# Altium PCB BatteryPack.PcbDoc
Units mm, origin at the board's own origin, x right, y up, seen from the top; angles counter-clockwise.
Board outline 90 x 42 mm, 4 copper layers (L1 Top, L2 GND, L3 Power, L4 Bottom), stack 1.576 mm thick; 60 components, 46 nets, 196 pads, 133 vias.
Unrouted connection lines stored in the file: 3.
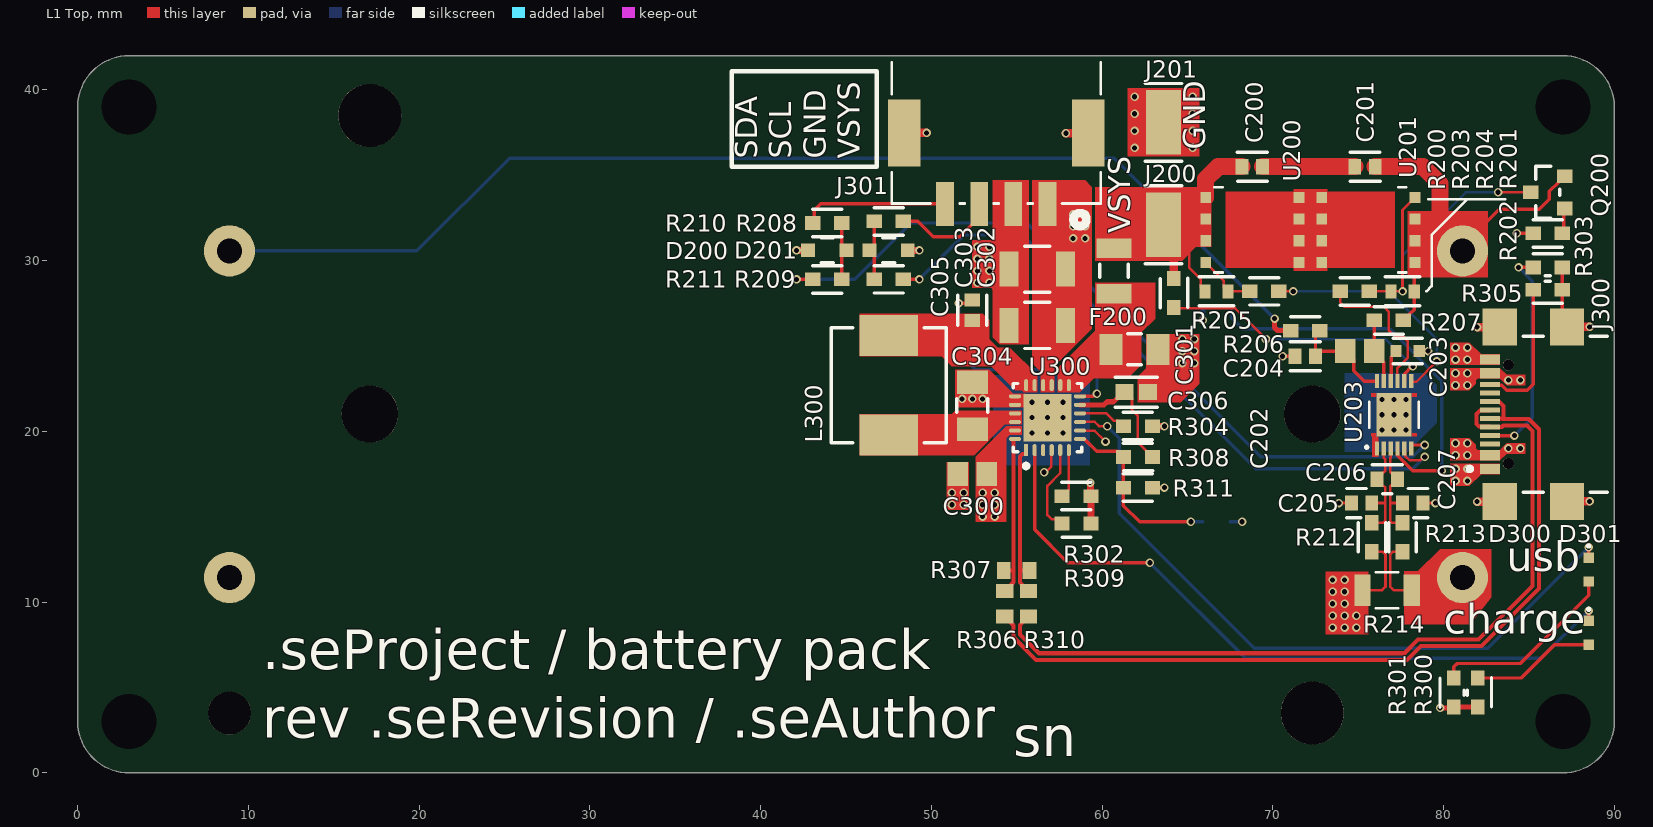
[diagram p0: L1 Top view]
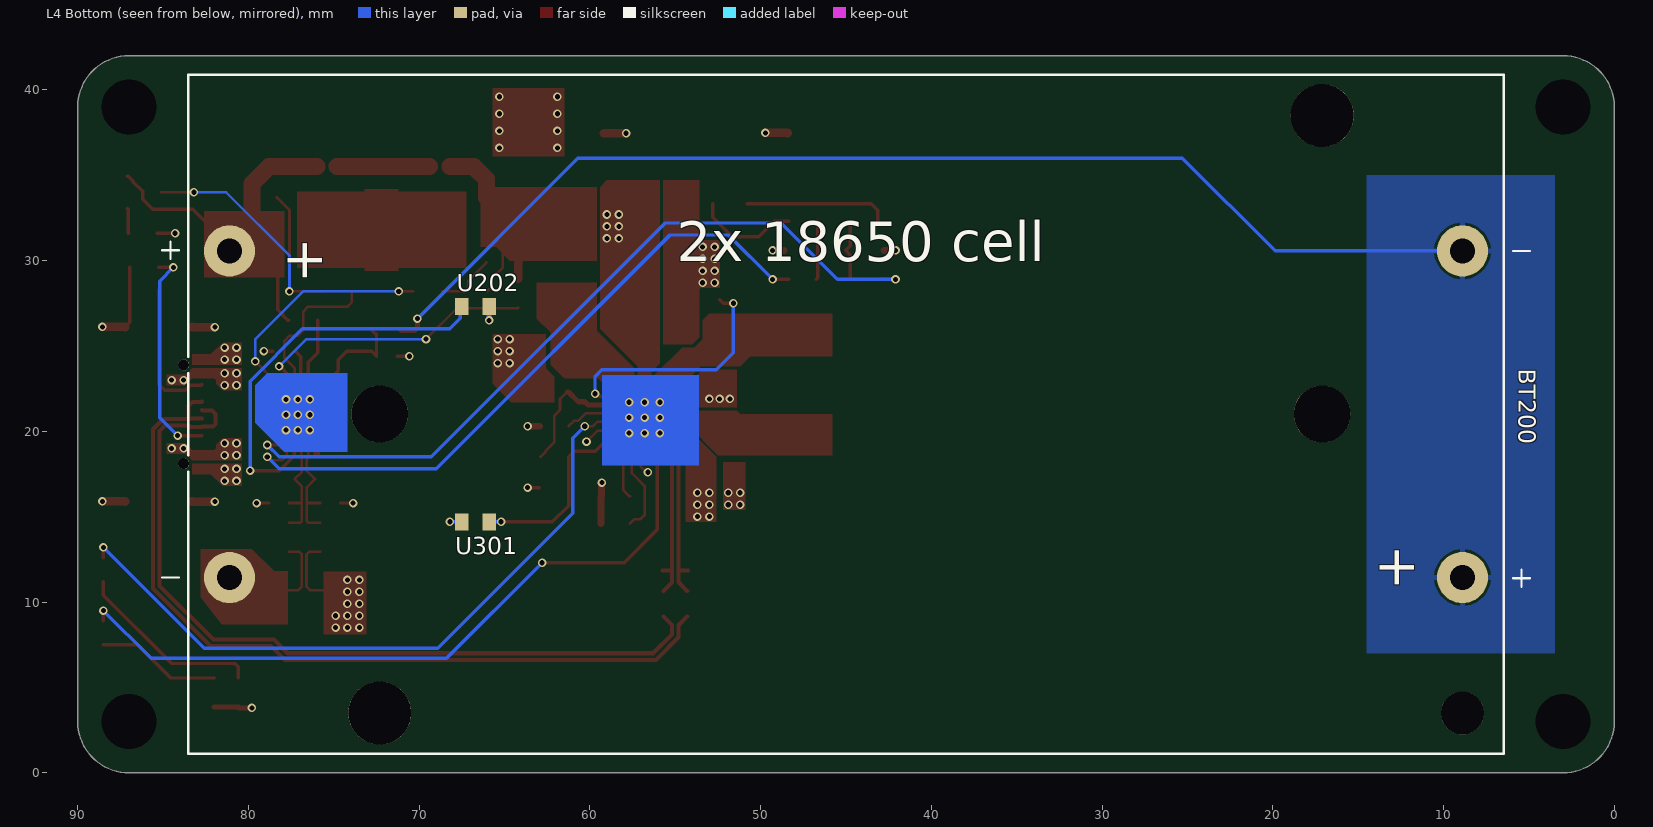
[diagram p1: L4 Bottom view, seen from below]
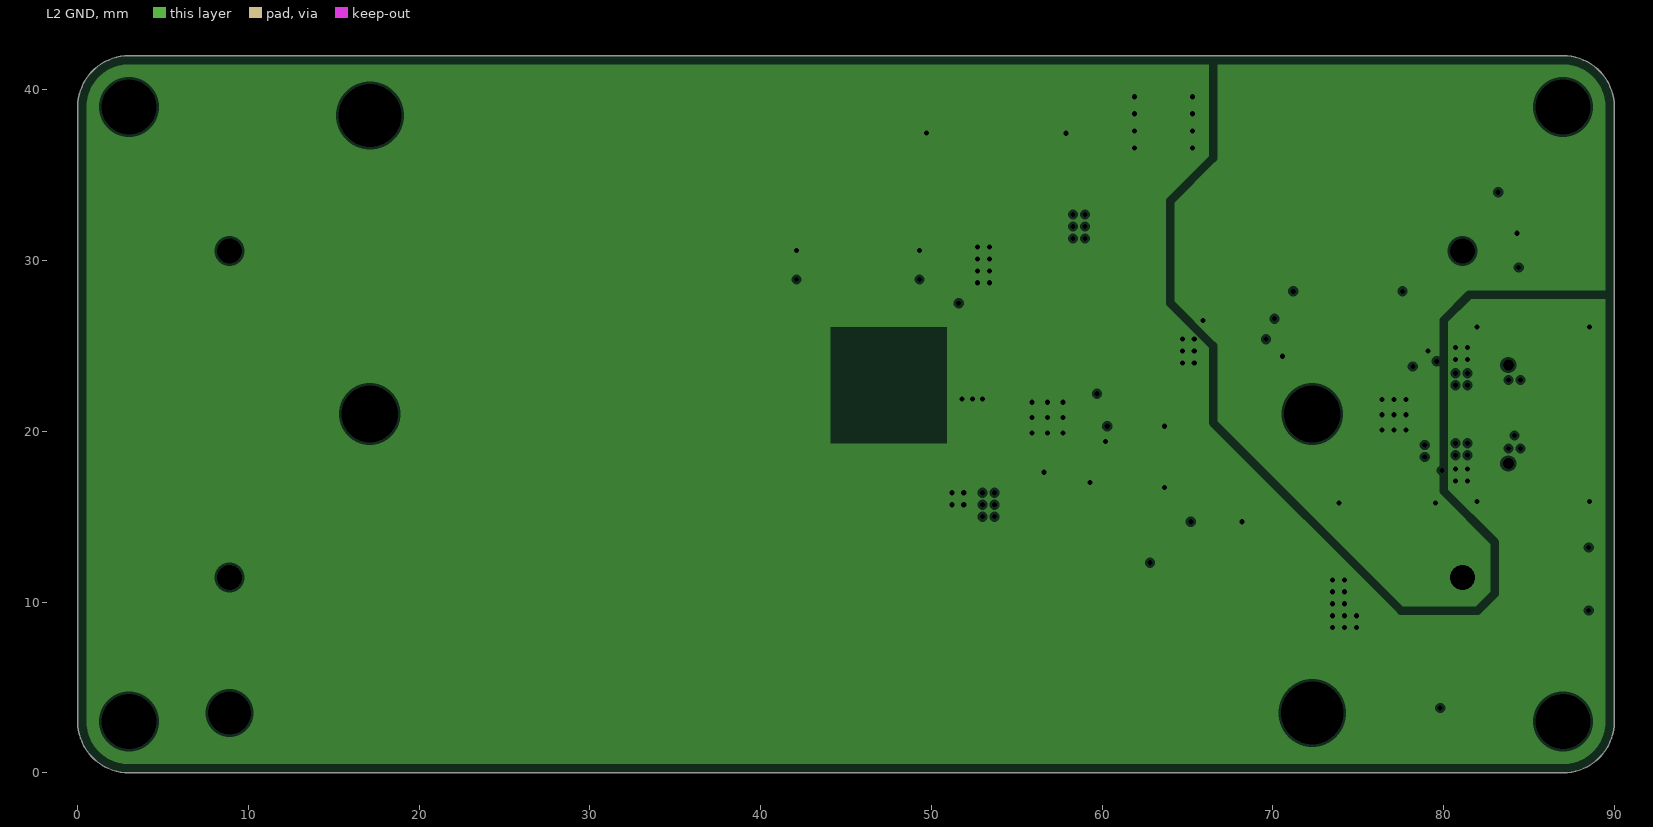
[diagram p2: L2 GND, clearances drawn from the general rule]
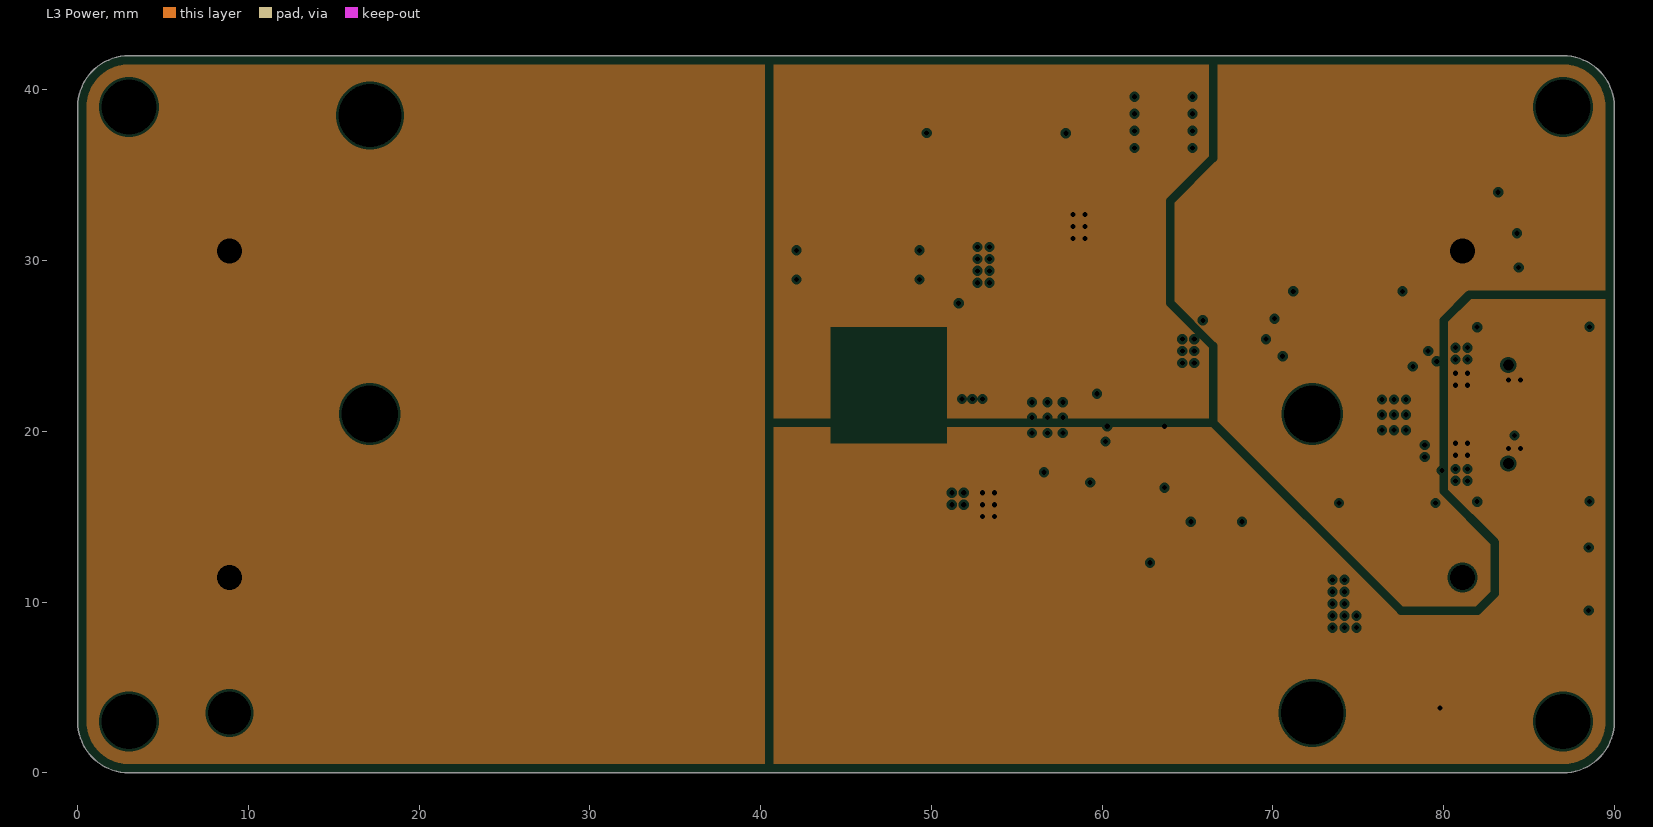
[diagram p3: L3 Power, clearances drawn from the general rule]
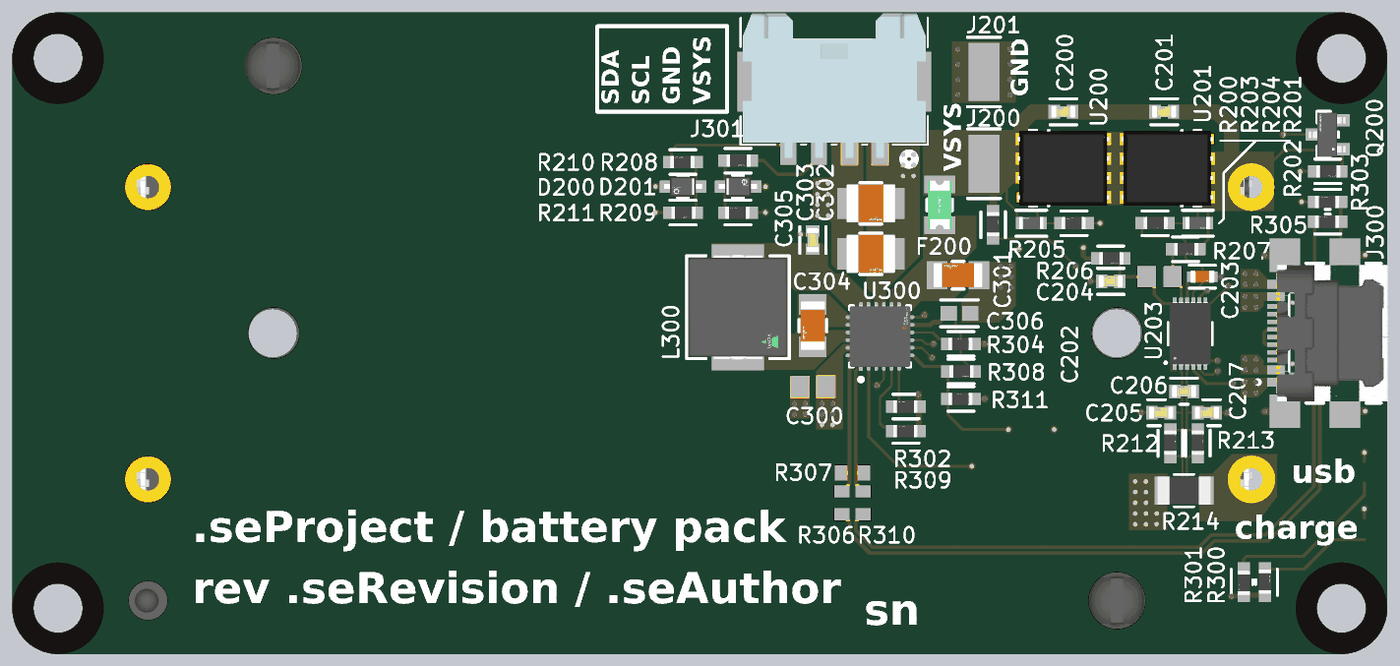
[diagram p4: 3D render of the assembled board from above, using the file's embedded part models]
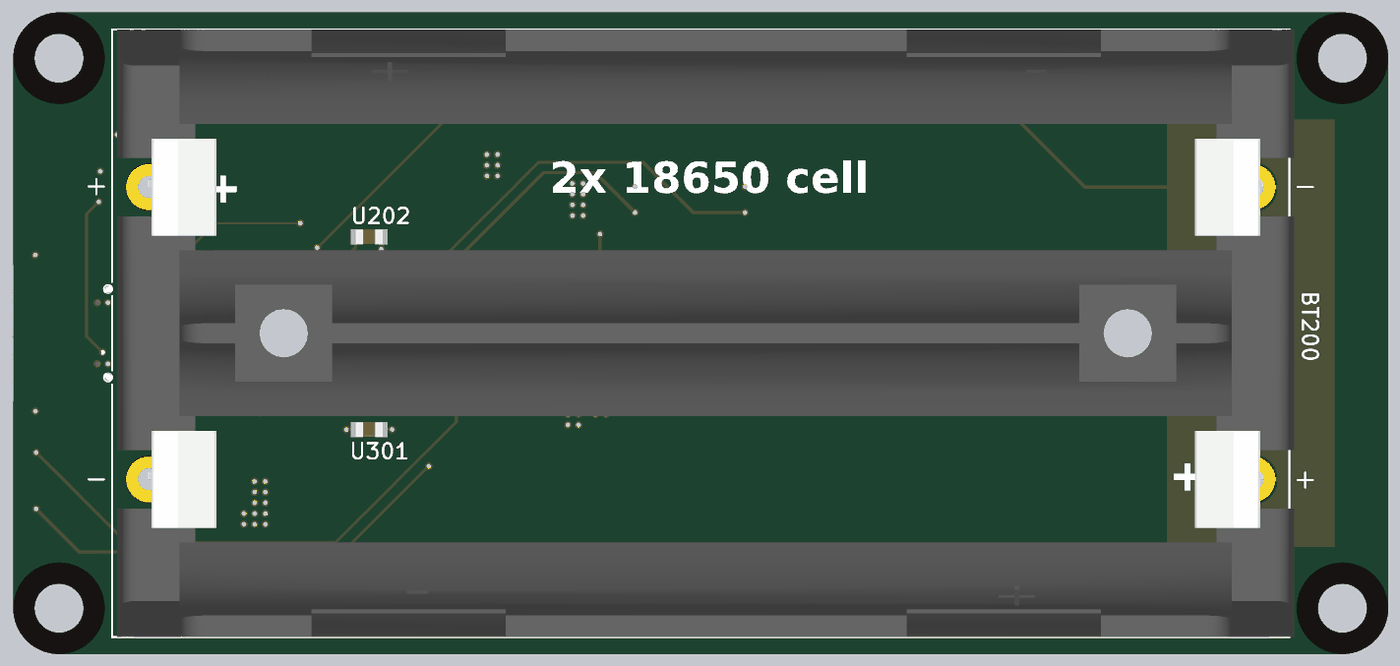
[diagram p5: 3D render of the assembled board from below, using the file's embedded part models]

## Layer stack, top to bottom
Top Solder: solder mask 0.0102, Solder Resist, Dk 3.5
L1 Top: signal copper 0.0356
Dielectric 2: prepreg 0.21, PP-006, Dk 4.1
L2 GND: plane copper 0.0175, net GND
Dielectric 1: dielectric 1.05, FR-4, Dk 4.8
L3 Power: plane copper 0.0175, net GND
Dielectric 3: prepreg 0.21, PP-006, Dk 4.1
L4 Bottom: signal copper 0.0356
Bottom Solder: solder mask 0.0102, Solder Resist, Dk 3.5

## Board outline
0,3 0,39 cw(c3,39) 3,42 87,42 cw(c87,39) 90,39 90,3 cw(c87,3) 87,0 3,0 cw(c3,3)

## Design rules (kind name [scope] priority, off if disabled: settings)
BoardOutlineClearance [All] p1: gap=0.4 ignorepadtopadclearanceinfootprint=FALSE
Clearance [All] p1: gap=0.1 ignorepadtopadclearanceinfootprint=FALSE except(0.2: Arc-Poly Track-Poly SMDPad-Poly THPad-Poly Via-Poly Fill-Poly Poly-Poly Poly-Region Poly-Text Poly-Hole)
ComponentClearance [All] p1: gap=0.35 collisioncheckmode=3 verticalgap=0.35 showdistances=FALSE
DiffPairsRouting DiffPairsRouting_ETH [InDifferentialPairClass('Ethernet')] p1: maxlimit=0.15 minlimit=0.15 mostfreqgap=0.15 toplayer_minwidth=0.132 toplayer_maxwidth=0.132 toplayer_prefwidth=0.132 bottomlayer_minwidth=0.132 bottomlayer_maxwidth=0.132 bottomlayer_prefwidth=0.132 impedanceprofiledriven=TRUE maxuncoupledlength=5
HoleSize [All] p1: absolutevalues=TRUE maxlimit=6.3 minlimit=0.3 maxpercent=80.000 minpercent=20.000
HoleToHoleClearance [All] p1: gap=0.3 allowstackedmicrovias=FALSE
MinimumAnnularRing [All] p1: minimumring=0.075
MinimumSolderMaskSliver [All] p1: minsoldermaskwidth=0.1
PlaneClearance [All] p1: clearance=0.15
PlaneConnect [All] p1: pad.planeconnectstyle=Relief pad.reliefexpansion=0.508 pad.reliefentries=4 pad.reliefconductorwidth=0.254 pad.reliefairgap=0.254 via.planeconnectstyle=Direct via.reliefexpansion=0.508 via.reliefentries=4 via.reliefconductorwidth=0.254 via.reliefairgap=0.254
PolygonConnect [All] p1: thpad.connectstyle=Relief thpad.reliefconductorwidth=0.3 thpad.reliefentries=4 thpad.polygonreliefangle="90 Angle" thpad.airgapwidth=0.15 smdpad.connectstyle=Relief smdpad.reliefconductorwidth=0.3 smdpad.reliefentries=4 smdpad.polygonreliefangle="90 Angle" smdpad.airgapwidth=0.15 via.connectstyle=Direct via.reliefconductorwidth=0.254 via.reliefentries=4 via.polygonreliefangle="90 Angle" via.airgapwidth=0.254
RoutingVias [All] p1: holewidth=0.3 width=0.46 viastyle="Through Hole" minholewidth=0.3 minwidth=0.45 maxholewidth=6 maxwidth=6.3
SilkToSilkClearance [All] p1: silktosilkclearance=0.15
SilkToSolderMaskClearance [IsPad] p1: minsilkscreentomaskgap=0.15 clearancetoexposedcopper=TRUE
SolderMaskExpansion [All] p1: expansion=0.05 istentingtop=FALSE
Width [All] p1: maxlimit=5 minlimit=0.1 preferedwidth=0.2 minimp=50.000000 maximp=50.000000 favimp=50.000000
21 further rules are at their usual default settings.

## Classes and differential pairs
component class "Battery Monitoring & Protection": BT200 C200 C201 C202 C203 C204 C205 C206 C207 D200 D201 F200 J200 J201 Q200 R200 R201 R202 R203 R204 R205 R206 R207 R208 R209 R210 R211 R212 R213 R214 U200 U201 U202 U203
component class "USB Charger": C300 C301 C302 C303 C304 C305 C306 D300 D301 J300 J301 L300 R300 R301 R302 R303 R304 R305 R306 R307 R308 R309 R310 R311 U300 U301

## Components (designator, comment, footprint, x,y, rotation, side; value= is the part's Value field where it differs from the comment)
BT200 "1049" BAT1049 45,21 r180 bottom
C200 "C0603C104M5RACTU" FP-C0603C-CF-MFG 68.8,35.5 r0 top value="0.10 μF"
C201 "C0603C104M5RACTU" FP-C0603C-CF-MFG 75.4,35.5 r0 top value="0.10 μF"
C202 "GRM219R71E105KA88D" CAPC2013X95X45NL10T25 75.1,24.7 r180 top
C203 "GRM188R61E225KA12D" FP-GRM188-0_1-e0_2_0_5-MFG 77.9,24.7 r0 top
C204 "C0603C104M5RACTU" FP-C0603C-CF-MFG 71.9,24.4 r0 top value="0.10 μF"
C205 "C0603C104M5RACTU" FP-C0603C-CF-MFG 75.2,15.8 r0 top value="0.10 μF"
C206 "C0603C104M5RACTU" FP-C0603C-CF-MFG 76.7,17.2 r0 top value="0.10 μF"
C207 "C0603C104M5RACTU" FP-C0603C-CF-MFG 78.2,15.8 r0 top value="0.10 μF"
C300 "GRM219R71E105KA88D" CAPC2013X95X45NL10T25 52.4,17.5 r0 top
C301 "GRM31CR71E106MA12K" FP-GRM31C-0_2-e0_3_0_8-IPC_B 61.9,24.8 r180 top value=10μF
C302 "GRM32ER71E226ME15K" FP-GRM32E-0_3-0_2-MFG 56.2,26.2 r0 top
C303 "GRM32ER71E226ME15K" FP-GRM32E-0_3-0_2-MFG 56.2,29.5 r0 top
C304 "GRM31CR71E106MA12K" FP-GRM31C-0_2-e0_3_0_8-IPC_B 52.4,21.5 r270 top value=10μF
C305 "C0603C473M5RACTU" FP-C0603C-CF-MFG 52.4,27.1 r270 top value="47,000 pF"
C306 "GRM188Z71A475ME15D" FP-GRM188-0_15-IPC_B 62,22.3 r180 top
D200 "MM3Z5V6C" FP-SOD-323F-MFG 43.9,30.6 r0 top
D201 "MM3Z5V6C" FP-SOD-323F-MFG 47.5,30.6 r180 top
D300 "155060VS75300" WL-SMSW_0603_L1.6W0.98H0.8 1358.71,-1261.8 r270 top
D301 "155060VS75300" WL-SMSW_0603_L1.6W0.98H0.8 1358.71,-1258.1 r270 top
F200 "0466005.NR" FP-0466-MFG 60.7,29.4 r90 top value=0.011Ω
J200 "5019" FP-5019-MFG 63.6,32.1 r90 top
J201 "5019" FP-5019-MFG 63.6,38.1 r270 top
J300 "USB4110-GF-A" FP-USB4110-GF-A-MFG 86.4,21 r90 top
J301 "5055780471" CONN_505578_04_MOL 53.8,37.7 r180 top
L300 "IHLP2525CZER1R0M01" FP-IHLP-2525CZ-FP_2_413x3-MFG 47.5,22.7 r270 top
Q200 "2N7002K" FP-318-08-MFG 86.1,34 r180 top
R200 "AC0603FR-0710ML" FP-AC0603-IPC_C 66.7,28.2 r180 top
R201 "AC0603FR-0710ML" FP-AC0603-IPC_C 77.6,28.2 r0 top
R202 "RT0603FRE0710KL" FP-RT0603-MFG 86.1,31.6 r0 top value=10KΩ
R203 "RT0603FRE075K1L" FP-RT0603-MFG 69.5,28.2 r180 top value=5.1KΩ
R204 "RT0603FRE075K1L" FP-RT0603-MFG 74.8,28.2 r0 top value=5.1KΩ
R205 "RT0603FRE0710RL" FP-RT0603-MFG 64.2,28.1 r90 top value=10Ω
R206 "RT0603FRE07100RL" FP-RT0603-MFG 71.9,25.9 r0 top value=100Ω
R207 "RT0603FRE075R1L" FP-RT0603-MFG 76.8,26.5 r0 top value=5.1Ω
R208 "RT0603FRE07100RL" FP-RT0603-MFG 47.5,32.3 r0 top value=100Ω
R209 "RT0603FRE07100RL" FP-RT0603-MFG 47.5,28.9 r180 top value=100Ω
R210 "RT0603FRE07100RL" FP-RT0603-MFG 43.9,32.2 r180 top value=100Ω
R211 "RT0603FRE07100RL" FP-RT0603-MFG 43.9,28.9 r0 top value=100Ω
R212 "RT0603FRE07100RL" FP-RT0603-MFG 75.8,13.8 r90 top value=100Ω
R213 "RT0603FRE07100RL" FP-RT0603-MFG 77.6,13.8 r90 top value=100Ω
R214 "CSNL1206FT1L00" STA_CSNL1206_STP 76.7,10.7 r0 top
R300 "RT0603FRE072K2L" FP-RT0603-MFG 82,4.7 r90 top value=2.2KΩ
R301 "RT0603FRE072K2L" FP-RT0603-MFG 80.6,4.7 r270 top value=2.2KΩ
R302 "RT0603FRE07150KL" FP-RT0603-MFG 58.5,16.2 r180 top value=150KΩ
R303 "RT0603FRE075K1L" FP-RT0603-MFG 86.1,29.6 r180 top value=5.1KΩ
R304 "RT0603FRE075K6L" FP-RT0603-MFG 62.1,20.3 r180 top value=5.6KΩ
R305 "RT0603FRE075K1L" FP-RT0603-MFG 86.1,28.3 r180 top value=5.1KΩ
R306 "RC0603JR-070RL" RESC1608X55X25ML10T15 54.3,9.9 r270 top
R307 "RC0603JR-070RL" RESC1608X55X25ML10T15 54.996,11.858 r180 top
R308 "RT0603FRE075K23L" FP-RT0603-MFG 62.1,18.5 r0 top value=5.23KΩ
R309 "RT0603FRE0710KL" FP-RT0603-MFG 58.5,14.6 r180 top value=10KΩ
R310 "RC0603JR-070RL" RESC1608X55X25ML10T15 55.7,9.9 r270 top
R311 "RT0603FRE0730K1L" FP-RT0603-MFG 62.1,16.7 r180 top value=30.1KΩ
U200 "CSD16412Q5A" DQJ8 68.8,31.8 r0 top
U201 "CSD16412Q5A" DQJ8 75.6,31.8 r180 top
U202 "NTCS0603E3103FLT" NTCS0603_VIS 66.7,27.3 r180 bottom
U203 "BQ28Z620DRZR" VSON12_DRZ_TEX 77.1,20.969 r90 top
U300 "BQ25886RGER" FP-RGE0024H-IPC_C 56.8,20.8 r90 top
U301 "NTCS0603E3103FLT" NTCS0603_VIS 66.7,14.7 r180 bottom

## Footprints (in the part's own frame and the unit in brackets; to place one, negate y for a bottom-side part, rotate by r counter-clockwise, add the part's x,y. Pads: shape width x height; smd on the part's side, far side on the other; paste and mask are expansions set on the pad)
BAT1049 [mm]
  round 3 hole 1.45: N1(36.11,9.565) N2(-36.11,-9.565) P1(-36.11,9.565) P2(36.11,-9.565)
  round 3.68 hole 3.68 unplated: ""(-27.31,-17.5) ""(27.89,17.5)
  round 3.31 hole 3.31 unplated: ""(-27.31,0.015) ""(27.89,0.015)
  round 2.51 hole 2.51 unplated: ""(36.11,-17.5)
  silkscreen extent -40.06,-19.89 40.06,19.89, body extent -38.2,-19.89 38.86,19.89, height 14.91
CAPC2013X95X45NL10T25 [mm] "Chip Capacitor, 2-Leads, Body 2.00x1.25mm, IPC Medium Density"
  rect 1.2x1.4 smd: 1(-0.85,0) 2(0.85,0)
  body extent -1.05,-0.67 1.05,0.67, height 0.95
CONN_505578_04_MOL [mil]
  rect 41x102 smd: 1(-118.11,172.41) 2(-39.37,172.41) 3(39.37,172.41) 4(118.11,172.41)
  rect 75x154 smd: 5(-212.6,9.02) 6(212.6,9.02)
  silkscreen extent -241,-154 241,224, body extent -236,-167 236,206, height 232
DQJ8 [mm]
  rect 0.63x0.65 smd paste-0.1 mask-0.33: 1(-2.735,1.905) 2(-2.735,0.635) 3(-2.735,-0.635) 4(-2.735,-1.905) 5(2.735,-1.905) 6(2.735,-0.635) 7(2.735,0.635) 8(2.735,1.905)
  L1 Top region: 2.745,0 2.745,-2.23 -1.545,-2.23 -1.545,0
  L1 Top region: 2.745,0 2.745,2.23 -1.545,2.23 -1.545,0
  silkscreen extent -2.23,-2.5 -1.74,2.5, body extent -3,-2.55 3,2.55, height 1.05
FP-318-08-MFG [mm]
  rect 0.9x0.8 smd paste+0 mask+0: 1(-1,0.95) 2(-1,-0.95) 3(1,0)
  silkscreen extent -0.7,-1.52 0.7,1.52, body extent -1.55,-1.62 1.55,1.62, height 0.25
FP-0466-MFG [mil]
  rect 45x80 smd paste+0 mask+0: 1(-52.5,0) 2(52.5,0)
  silkscreen extent -15,-32 15,32, body extent -79,-44 79,44, height 10
FP-5019-MFG [mm]
  rect 3.8x2.03 smd paste+0 mask+0: 1(0,0)
  silkscreen extent -2.27,-1.08 2.27,1.08
FP-AC0603-IPC_C [mm]
  rect 0.659x0.812 smd paste+0 mask+0: 1(-0.677,0) 2(0.677,0)
  silkscreen extent -1.01,-0.85 1.01,0.85, body extent -1.11,-0.55 1.11,0.55, height 0.25
FP-C0603C-CF-MFG [mm]
  rect 0.75x0.9 smd paste+0 mask+0: 1(-0.6,0) 2(0.6,0)
  silkscreen extent -0.87,-0.85 0.88,0.85, body extent -1.2,-0.6 1.2,0.6, height 0.25
FP-GRM31C-0_2-e0_3_0_8-IPC_B [mm]
  rect 1.355x1.806 smd paste+0 mask+0: 1(-1.376,0) 2(1.376,0)
  silkscreen extent -0.4,-0.9 0.4,0.9, body extent -2.3,-1.15 2.3,1.15, height 0.25
FP-GRM32E-0_3-0_2-MFG [mm]
  rect 1.1x2.05 smd paste+0 mask+0: 1(-1.65,0) 2(1.65,0)
  silkscreen extent -0.72,-1.35 0.72,1.35, body extent -2.3,-1.45 2.3,1.45, height 0.25
FP-GRM188-0_1-e0_2_0_5-MFG [mm]
  rect 0.65x0.7 smd paste+0 mask+0: 1(-0.675,0) 2(0.675,0)
  silkscreen extent -0.85,-0.75 0.85,0.75, body extent -1.1,-0.55 1.1,0.55, height 0.25
FP-GRM188-0_15-IPC_B [mm]
  rect 1.056x0.958 smd paste+0 mask+0: 1(-0.701,0) 2(0.701,0)
  silkscreen extent -1.23,-0.88 1.23,0.88
FP-IHLP-2525CZ-FP_2_413x3-MFG [mil]
  rect 95x135 smd paste+0 mask+0: 1(-115,0) 2(115,0)
  silkscreen extent -132,-132 132,132, body extent -166,-136 166,136, height 10
FP-RGE0024H-IPC_C [mm]
  rect 0.706x0.239 smd paste+0 mask+0: 1(-1.903,1.25)
  rrect100% 0.706x0.239 smd paste+0 mask+0: 2(-1.903,0.75) 3(-1.903,0.25) 4(-1.903,-0.25) 5(-1.903,-0.75) 6(-1.903,-1.25) 13(1.903,-1.25) 14(1.903,-0.75) 15(1.903,-0.25) 16(1.903,0.25) 17(1.903,0.75) 18(1.903,1.25)
  rrect100% 0.239x0.706 smd paste+0 mask+0: 7(-1.25,-1.903) 8(-0.75,-1.903) 9(-0.25,-1.903) 10(0.25,-1.903) 11(0.75,-1.903) 12(1.25,-1.903) 19(1.25,1.903) 20(0.75,1.903) 21(0.25,1.903) 22(-0.25,1.903) 23(-0.75,1.903) 24(-1.25,1.903)
  rect 2.8x2.8 smd paste-1000 mask+0: 25(0,0)
  silkscreen extent -2.96,-2 2,2, body extent -2.36,-2.36 2.36,2.36, height 0.25
FP-RT0603-MFG [mm]
  rect 0.9x0.8 smd paste+0 mask+0: 1(-0.85,0) 2(0.85,0)
  silkscreen extent -0.85,-0.81 0.86,0.8, body extent -1.4,-0.55 1.4,0.55, height 0.25
FP-SOD-323F-MFG [mm]
  rect 0.8x0.8 smd paste+0 mask+0: 1(-1.125,0) 2(1.125,0)
  silkscreen extent -0.35,-0.72 0.35,0.72, body extent -1.63,-0.82 1.63,0.82, height 0.25
FP-USB4110-GF-A-MFG [mm]
  rect 2.18x2 smd paste+0 mask+0: 1(-5.11,3.105) 2(5.11,3.105) 3(-5.11,-0.825) 4(5.11,-0.825)
  rect 0.6x1.15 smd paste+0 mask+0: A1-B12(-3.2,3.68) A4-B9(-2.4,3.68) B1-A12(3.2,3.68) B4-A9(2.4,3.68)
  rect 0.3x1.15 smd paste+0 mask+0: A5(-1.25,3.68) A6(-0.25,3.68) A7(0.25,3.68) A8(1.25,3.68) B5(1.75,3.68) B6(0.75,3.68) B7(-0.75,3.68) B8(-1.75,3.68)
  round 0.65 hole 0.65 unplated paste-2539.97 mask+0: ""(-2.89,2.605) ""(2.89,2.605)
  silkscreen extent -4.57,-3.2 4.57,4.99, body extent -6.3,-3.92 6.3,4.36, height 0.25
NTCS0603_VIS [mm]
  rect 0.8x1 smd paste+0 mask+0: 1(-0.8,0) 2(0.8,0)
  body extent -0.88,-0.47 0.88,0.47, height 0.94
RESC1608X55X25ML10T15 [mm] "Chip Resistor, 2-Leads, Body 1.60x0.80mm, IPC Low Density"
  rect 0.8x1 smd: 1(-0.75,0) 2(0.75,0)
  body extent -0.85,-0.45 0.85,0.45, height 0.55
STA_CSNL1206_STP [mil]
  rect 38x73 smd paste+0 mask+0: 1(-57,0) 2(57,0)